# Altium PCB HIVE_BOARD_PCB ASCII REV Project_PCB_Rev.Project_SCH_Rev.PcbDoc (part 7 of 9) (continued)
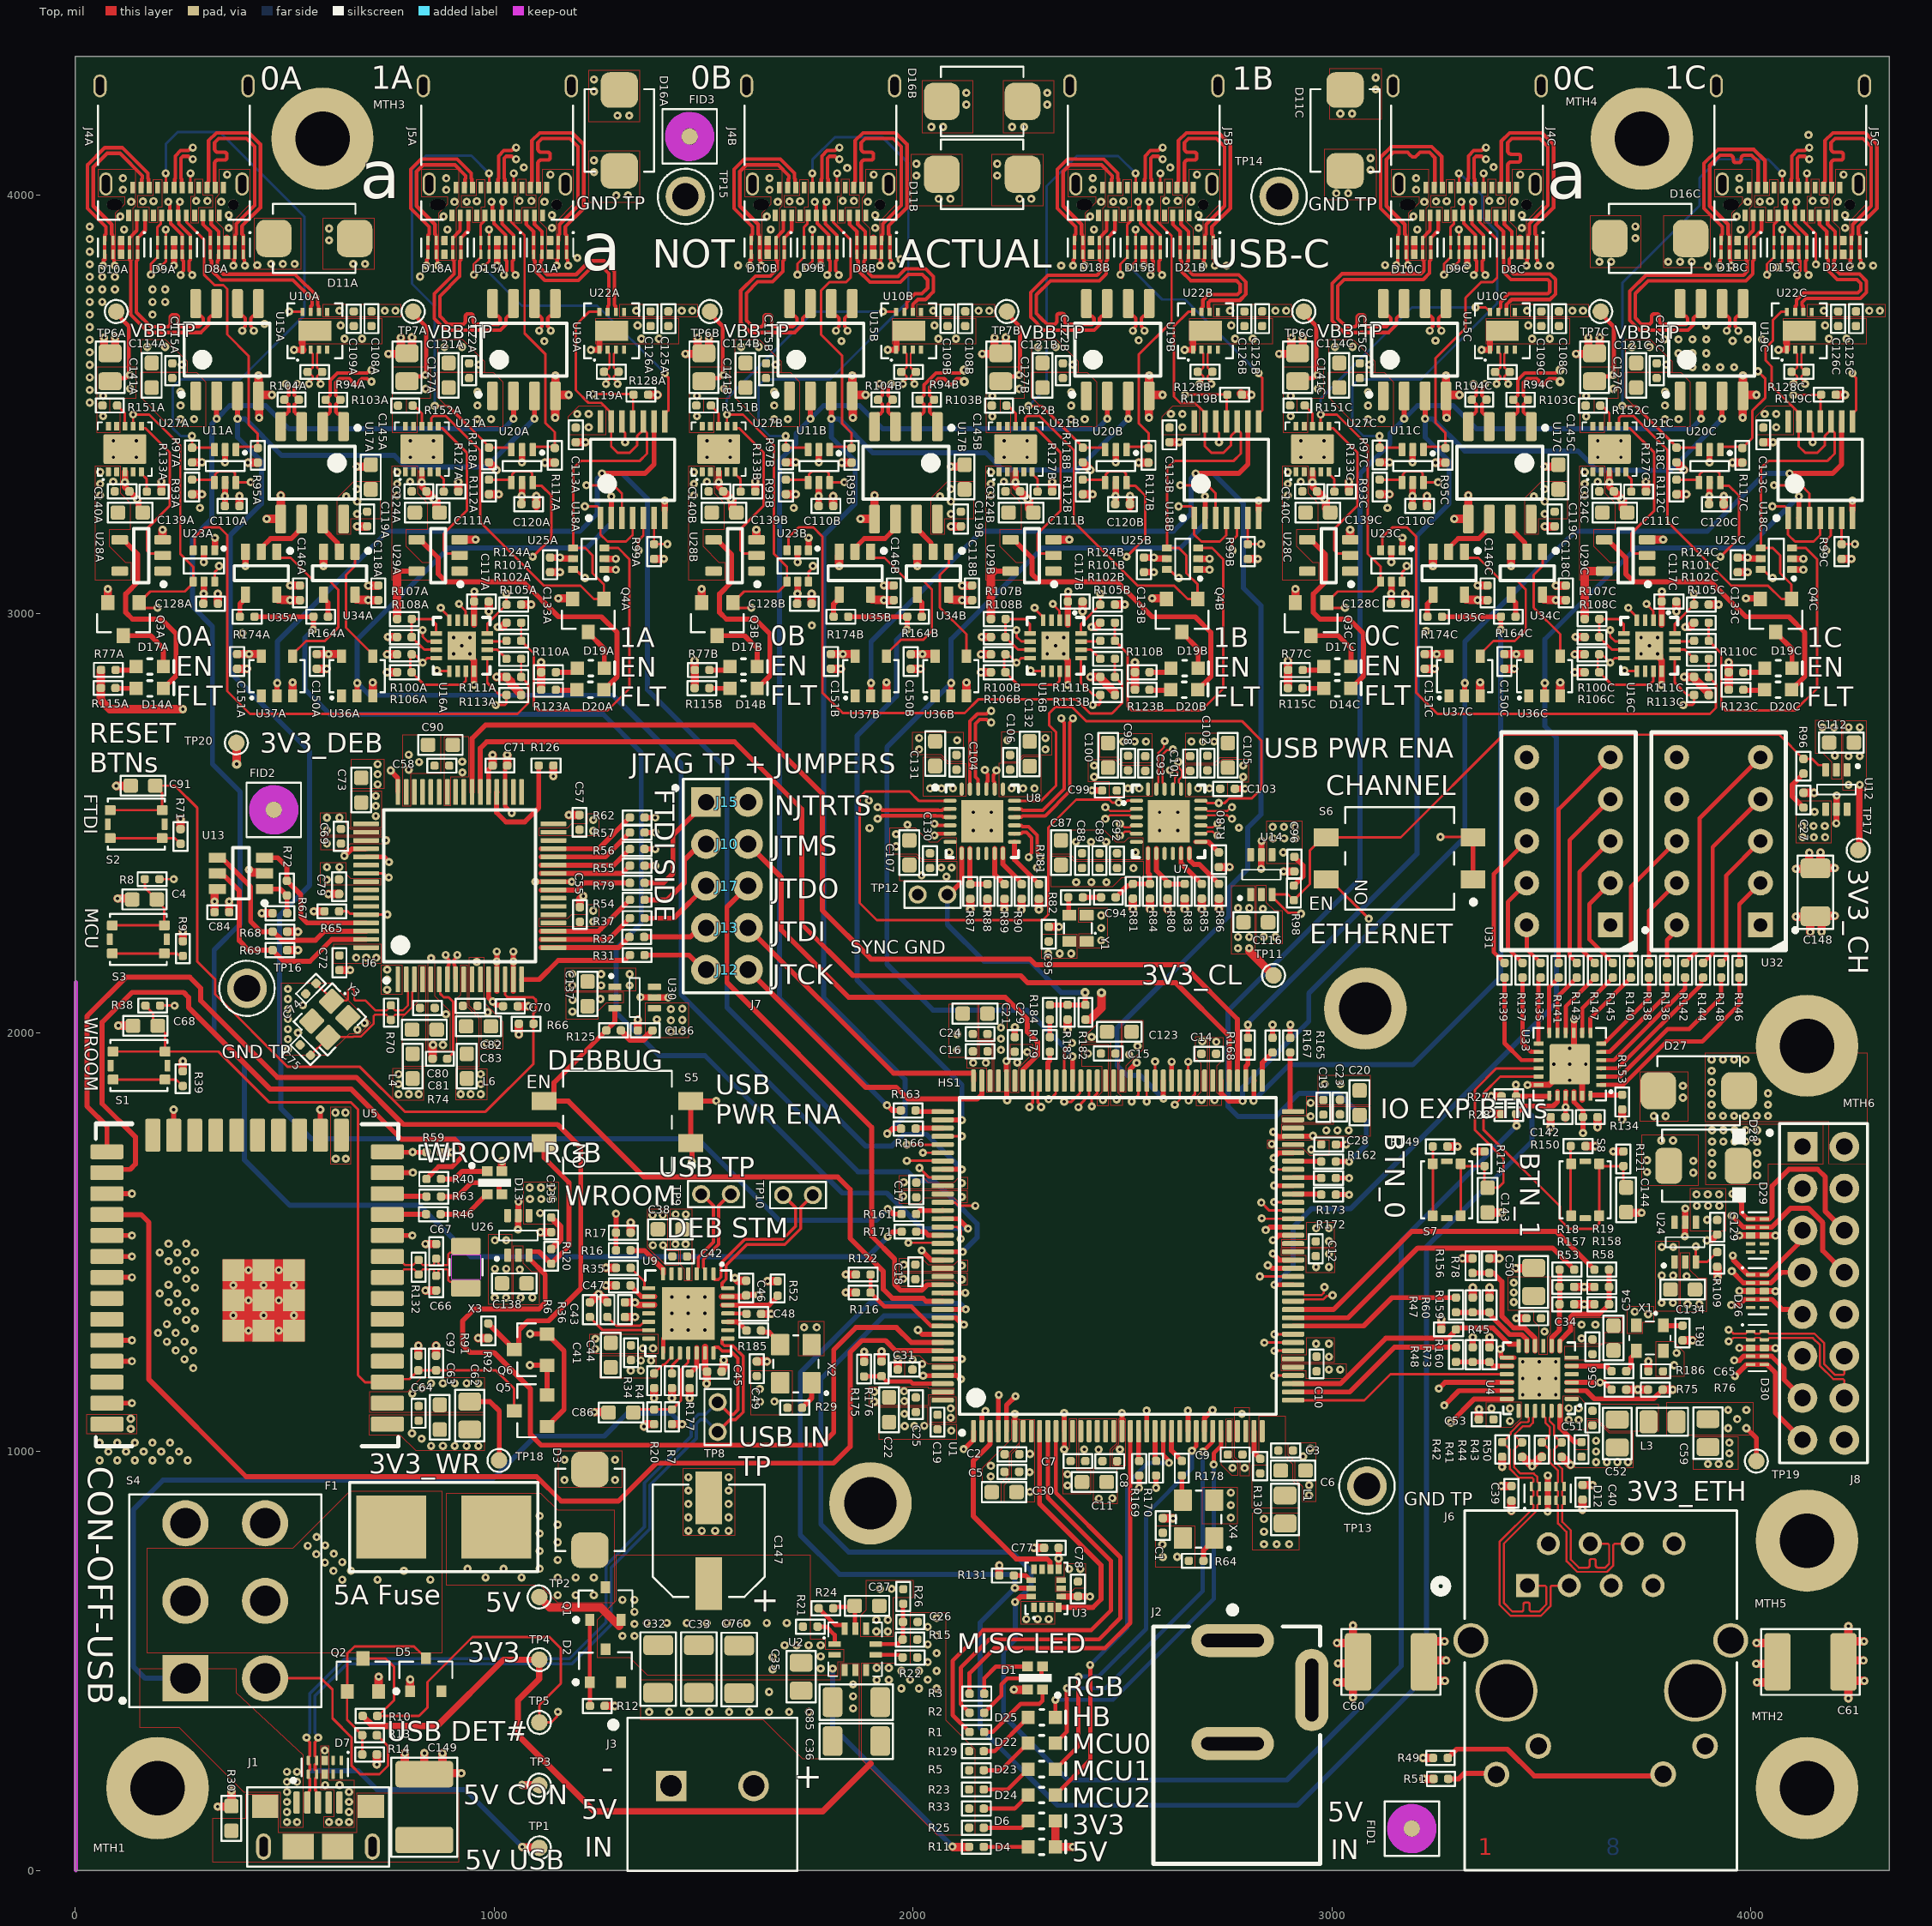
[diagram p0: Top view]
## Nets (pads, with @x,y where several pads share a name; then routed paths per layer and width w, separated by ;. In a path a pad name is that pad's centre, name@x,y a point inside that pad or via, vN(x,y) a via of type N, cw(c..) or ccw(c..) an arc to the next point about the centre after c; other vN are vias at no path point) (continued)
  Signal_2 w6: v1(829.72,2883) v1(829.72,2960.95) 829.72,2993.91 849.8,3014 v1(873,3014)
NetR100B_2: R100B.2 R106B.1 U16B.4 U16B.6 U16B.8 U16B.11 | length 538.6
  Top w6: v1(2247.04,2960.95) 2247.04,2945.28 2258.52,2933.8 2278.79,2933.8 U16B.6@2279.28,2933.31 ; U16B.8@2279.28,2893.94 2257.98,2893.94 v1(2247.04,2883) 2227.17,2902.87 R100B.2@2220.93,2902.87 2217.32,2899.26 2217.32,2863.74 R106B.1@2220.86,2860.21 2251.06,2830 2340.32,2830 2350.14,2839.82 U16B.11@2350.14,2862.45 ; v1(2290.32,3014) 2290.32,3012.24 2310.77,2991.79 U16B.4@2310.77,2984.5
  Signal_2 w6: v1(2247.04,2883) v1(2247.04,2960.95) 2247.04,2993.91 2267.13,3014 v1(2290.32,3014)
NetR100C_2: R100C.2 R106C.1 U16C.4 U16C.6 U16C.8 U16C.11 | length 538.6
  Top w6: v1(3664.36,2960.95) 3664.36,2945.28 3675.84,2933.8 3696.11,2933.8 U16C.6@3696.6,2933.31 ; U16C.8@3696.6,2893.94 3675.3,2893.94 v1(3664.36,2883) 3644.49,2902.87 R100C.2@3638.26,2902.87 3634.65,2899.26 3634.65,2863.74 R106C.1@3638.18,2860.21 3668.39,2830 3757.65,2830 3767.46,2839.82 U16C.11@3767.46,2862.45 ; v1(3707.65,3014) 3707.65,3012.24 3728.09,2991.79 U16C.4@3728.09,2984.5
  Signal_2 w6: v1(3664.36,2883) v1(3664.36,2960.95) 3664.36,2993.91 3684.45,3014 v1(3707.65,3014)
NetR102A_1: R102A.1 U16A.15 | length 46
  Top w6: U16A.15@984.49,2933.8 1028.33,2933.8 R102A.1@1029.85,2935.32
NetR102B_1: R102B.1 U16B.15 | length 46
  Top w6: U16B.15@2401.81,2933.8 2445.66,2933.8 R102B.1@2447.18,2935.32
NetR102C_1: R102C.1 U16C.15 | length 46
  Top w6: U16C.15@3819.13,2933.8 3862.98,2933.8 R102C.1@3864.5,2935.32
NetR105A_1: R105A.1 U16A.14 | length 54.5
  Top w6: U16A.14@984.37,2914 1008.02,2914 R105A.1@1029.85,2892.16
NetR105B_1: R105B.1 U16B.14 | length 54.5
  Top w6: U16B.14@2401.69,2914 2425.34,2914 R105B.1@2447.18,2892.16
NetR105C_1: R105C.1 U16C.14 | length 54.5
  Top w6: U16C.14@3819.02,2914 3842.66,2914 R105C.1@3864.5,2892.16
NetR107A_2: R107A.2 R108A.2 U16A.5 U16A.7 | length 199.6
  Top w6: U16A.7@861.95,2913.63 861.46,2914.12 833.64,2914.12 824.5,2923.25 R108A.2@803.53,2944.22 803.67,2944.35 803.67,2987.04 R107A.2@803.8,2987.17 850.28,2987.17 861.95,2975.5 U16A.5@861.95,2953
NetR107B_2: R107B.2 R108B.2 U16B.5 U16B.7 | length 199.6
  Top w6: U16B.7@2279.28,2913.63 2278.79,2914.12 2250.96,2914.12 2241.83,2923.25 R108B.2@2220.86,2944.22 2220.99,2944.35 2220.99,2987.04 R107B.2@2221.12,2987.17 2267.6,2987.17 2279.28,2975.5 U16B.5@2279.28,2953
NetR107C_2: R107C.2 R108C.2 U16C.5 U16C.7 | length 199.6
  Top w6: U16C.7@3696.6,2913.63 3696.11,2914.12 3668.28,2914.12 3659.15,2923.25 R108C.2@3638.18,2944.22 3638.31,2944.35 3638.31,2987.04 R107C.2@3638.45,2987.17 3684.92,2987.17 3696.6,2975.5 U16C.5@3696.6,2953
NetR116_2: R116.2 R122.1 U1.135 | length 248.1
  Top w10: R122.1@1898.84,1422.63 R116.2@1898.84,1379.64 1932.01,1346.47 1996.53,1346.47 2042.32,1300.68 2070.01,1300.68 U1.135@2070.91,1299.78
NetR126_1: R126.1 U6.36 | length 274
  Top w12: U6.36@1006.75,2574.11 1006.26,2573.62 1006.26,2546.01 1006,2545.74 1006,2525.44 1028.44,2503 1073.25,2503 1106.71,2536.46 R126.1@1106.71,2637.61
NetR127A_1: R127A.1 U21A.5 | length 52.3
  Top w6: U21A.5@867.03,3338.47 867.03,3333.94 879.96,3321.01 R127A.1@879.96,3291.48
NetR127B_1: R127B.1 U21B.5 | length 52.3
  Top w6: U21B.5@2284.35,3338.47 2284.35,3333.94 2297.28,3321.01 R127B.1@2297.28,3291.48
NetR127C_1: R127C.1 U21C.5 | length 52.3
  Top w6: U21C.5@3701.68,3338.47 3701.68,3333.94 3714.6,3321.01 R127C.1@3714.6,3291.48
NetR130_2: R130.2 U1.35 | length 72.1
  Top w12: U1.35@2814.02,1048.79 2814.02,997.75 R130.2@2828.91,982.87
NetR133A_1: R133A.1 U27A.5 | length 52.3
  Top w6: U27A.5@158.37,3338.47 158.37,3333.94 171.3,3321.01 R133A.1@171.3,3291.48
NetR133B_1: R133B.1 U27B.5 | length 47.8
  Top w6: U27B.5@1575.69,3333.94 1588.62,3321.01 R133B.1@1588.62,3291.48
NetR133C_1: R133C.1 U27C.5 | length 52.3
  Top w6: U27C.5@2993.02,3338.47 2993.02,3333.94 3005.94,3321.01 R133C.1@3005.94,3291.48
NetR135_2: R135.2 U31.10 | length 104.5
  Top w10: U31.10@3464.89,2257.08 3464.89,2199.69 R135.2@3498.18,2166.4
NetR136_2: R136.2 U32.10 | length 100.3
  Top w10: R136.2@3799.9,2166.4 3799.9,2220.61 3823,2243.7 U32.10@3823,2257.08
NetR137_2: R137.2 U31.9 | length 223.9
  Top w10: R137.2@3455.08,2166.4 3419.89,2201.58 3419.89,2312.09 U31.9@3464.89,2357.08
NetR138_2: R138.2 U32.9 | length 218.1
  Top w10: R138.2@3756.8,2166.4 3756.8,2290.89 U32.9@3823,2357.08
NetR139_2: R139.2 U31.8 | length 333.5
  Top w10: R139.2@3411.97,2166.4 3386.81,2191.56 3386.81,2379 U31.8@3464.89,2457.08
NetR140_2: R140.2 U32.8 | length 336
  Top w10: R140.2@3713.69,2166.4 3713.69,2347.78 U32.8@3823,2457.08
NetR141_2: R141.2 U31.5 | length 541.9
  Top w10: R141.2@3541.28,2166.4 3541.28,2533.47 U31.5@3664.89,2657.08
NetR142_2: R142.2 U32.5 | length 565.2
  Top w10: R142.2@3843,2166.4 3878,2201.39 3878,2512.09 U32.5@4023,2657.08
NetR143_2: R143.2 U31.4 | length 438.2
  Top w10: R143.2@3584.39,2166.4 3567.3,2183.49 3567.3,2459.49 U31.4@3664.89,2557.08
NetR144_2: R144.2 U32.4 | length 447.4
  Top w10: R144.2@3886.11,2166.4 3909.02,2189.32 3909.02,2443.11 U32.4@4023,2557.08
NetR145_2: R145.2 U31.2 | length 234.9
  Top w10: U31.2@3664.89,2357.08 3614.32,2306.51 3614.32,2222.67 R145.2@3670.59,2166.4
NetR146_2: R146.2 U32.2 | length 211.7
  Top w10: R146.2@3972.31,2166.4 3972.31,2306.4 U32.2@4023,2357.08
NetR147_2: R147.2 U31.3 | length 336.2
  Top w10: R147.2@3627.49,2166.4 3591.2,2202.69 3591.2,2383.39 U31.3@3664.89,2457.08
NetR148_2: R148.2 U32.3 | length 329.5
  Top w10: R148.2@3929.21,2166.4 3941.32,2178.51 3941.32,2375.41 U32.3@4023,2457.08
NetR149_2: R149.2 S7.1 S7.2 | length 165.2
  Top w6: S7.1@3240.57,1563.2 3240.72,1563.2 R149.2@3240.72,1728.24
NetR150_2: R150.2 S8.1 S8.2 | length 166.7
  Top w6: R150.2@3570.05,1729.21 3570.05,1564.06 S8.1@3571.15,1562.96
NetR151A_2: R151A.2 U27A.8 | length 57.1
  Top w6: R151A.2@100.5,3497 119,3478.5 U27A.8@119,3447.53
NetR151B_2: R151B.2 U27B.8 | length 57.1
  Top w6: R151B.2@1517.82,3497 1536.32,3478.5 U27B.8@1536.32,3447.53
NetR151C_2: R151C.2 U27C.8 | length 57.1
  Top w6: R151C.2@2935.15,3497 2953.65,3478.5 U27C.8@2953.65,3447.53
NetR152A_2: R152A.2 U21A.8 | length 57.1
  Top w6: R152A.2@809.16,3497 827.66,3478.5 U21A.8@827.66,3447.53
NetR152B_2: R152B.2 U21B.8 | length 57.1
  Top w6: R152B.2@2226.48,3497 2244.98,3478.5 U21B.8@2244.98,3447.53
NetR152C_2: R152C.2 U21C.8 | length 57.1
  Top w6: R152C.2@3643.81,3497 3662.31,3478.5 U21C.8@3662.31,3447.53
NetR153_1: R153.1 U33.24 | length 75.3
  Top w12: U33.24@3618.03,1850.77 R153.1@3691.95,1850.77
  Top w15: R153.1@3691.95,1850.77 R153.1@3692.89,1851.72
NetR161_2: R161.2 U1.121 | length 66.8
  Top w12: R161.2@2007.59,1566.89 2015.97,1575.27 2070.82,1575.27 U1.121@2070.91,1575.37
NetR162_2: R162.2 U1.66 | length 67.1
  Top w12: U1.66@2907.53,1693.48 2908.14,1692.86 2973.52,1692.86 R162.2@2974.14,1692.24
NetR163_1: R163.1 U1.109 | length 65.9
  Top w12: R163.1@2006.14,1814.41 2008.87,1811.68 2070.82,1811.68 U1.109@2070.91,1811.59
NetR164A_1: R164A.1 U34A.4 | length 57.1
  Top w12: U34A.4@593.42,3045.57 593.42,3036.71 603.82,3026.31 R164A.1@603.82,2992.75
NetR164B_1: R164B.1 U34B.4 | length 57.1
  Top w12: U34B.4@2010.75,3045.57 2010.75,3036.71 2021.15,3026.31 R164B.1@2021.15,2992.75
NetR164C_1: R164C.1 U34C.4 | length 57.1
  Top w12: U34C.4@3428.07,3045.57 3428.07,3036.71 3438.47,3026.31 R164C.1@3438.47,2992.75
NetR165_1: R165.1 U4.17 | length 1641.8
  Top w12: R165.1@2900.48,1987.65 2900.6,1987.76 2900.6,2018.81 v1(2900.72,2018.93) ; v1(3268.22,1110.26) 3303.27,1145.31 U4.17@3417.35,1145.31 U4.17@3430.04,1145.31
  Signal_1 w6: v1(2900.72,2018.93) 2900.72,1890.34 2720.09,1709.71 2720.09,1276.75 2886.58,1110.26 v1(3268.22,1110.26)
NetR165_2: R165.2 U1.72 | length 148
  Top w12: R165.2@2900.48,1952.65 2900.48,1811.68 2900.58,1811.59 U1.72@2907.53,1811.59
NetR166_1: R166.1 U1.111 | length 63.2
  Top w12: R166.1@2007.72,1772.22 U1.111@2070.91,1772.22
NetR167_1: R167.1 U4.18 | length 1746
  Top w12: R167.1@2858.22,1987.65 v1@2858.22,2018.69 ; v1(3283.49,1069.22) 3339.9,1125.62 U4.18@3417.35,1125.62 U4.18@3430.04,1125.62
  Signal_1 w6: v1(2858.34,2018.81) 2858.34,1942.45 2661.97,1746.07 2661.97,1252.68 2845.43,1069.22 v1(3283.49,1069.22)
NetR167_2: R167.2 U1.73 | length 77.4
  Top w12: U1.73@2833.71,1885.4 2833.71,1928.13 R167.2@2858.22,1952.65
NetR168_2: R168.2 U1.75 | length 69.4
  Top w12: U1.75@2794.34,1885.4 2794.43,1885.5 2794.43,1919.55 2799.53,1924.65 R168.2@2799.53,1952.65
NetR169_1: R169.1 U5.30 | length 2988.2
  Top w12: U5.30@76.06,1465.7 v1(135.74,1465.7) ; v1(2539.77,913.2) 2539.88,913.31 2539.88,942.38 R169.1@2540,942.5
  Signal_1 w6: v1(135.74,1465.7) 105.76,1435.72 105.76,1347.58 383.93,1069.41 477.9,1069.41 665.49,881.83 1257.3,881.83 1412.63,726.5 2090.47,726.5 2241.68,877.72 2391.15,877.72 2426.62,913.2 v1(2539.77,913.2)
NetR169_2: R169.2 U1.21 | length 71.9
  Top w12: U1.21@2538.43,1048.79 2538.53,1048.7 2538.53,978.97 R169.2@2540,977.5
NetR170_1: R170.1 U5.37 | length 2854.5
  Top w12: U5.37@76.06,1115.7 v1(135.74,1115.7) ; v1@2580.32,913.74 R170.1@2580.32,942.82
  Signal_1 w6: v1(135.74,1115.7) 245.2,1115.7 354.97,1005.93 482.39,1005.93 640.41,847.9 746.78,847.9 967.81,626.88 968.61,626.88 1243.8,626.88 1309.51,692.59 2132.84,692.59 2286.73,846.48 2513.05,846.48 v1(2580.2,913.63)
NetR170_2: R170.2 U1.23 | length 72
  Top w12: U1.23@2577.8,1048.79 2577.8,980.33 R170.2@2580.32,977.82
NetR171_1: R171.1 U1.124 | length 66.5
  Top w12: R171.1@2008,1525 2028.14,1525 2036.74,1516.4 2070.82,1516.4 U1.124@2070.91,1516.31
NetR172_1: R172.1 U1.62 | length 67.5
  Top w12: U1.62@2907.53,1614.74 2907.62,1614.64 2973.23,1614.64 R172.1@2974.5,1613.38
NetR173_1: R173.1 U1.64 | length 67.4
  Top w12: U1.64@2907.53,1654.11 2907.62,1654.01 2973.49,1654.01 R173.1@2974.5,1653
NetR174A_1: R174A.1 U35A.4 | length 58.4
  Top w12: R174A.1@393.32,2992.75 393.32,3023.2 406.84,3036.71 U35A.4@406.84,3045.57
NetR174B_1: R174B.1 U35B.4 | length 58.4
  Top w12: R174B.1@1810.65,2992.75 1810.65,3023.2 1824.16,3036.71 U35B.4@1824.16,3045.57
NetR174C_1: R174C.1 U35C.4 | length 58.4
  Top w12: R174C.1@3227.97,2992.75 3227.97,3023.2 3241.48,3036.71 U35C.4@3241.48,3045.57
NetR175_1: R175.1 R176.1 U1.142 | length 198.6
  Top w10: R175.1@1883.38,1179.34 1883.83,1179.8 R176.1@1925.15,1179.8 ; R176.1@1924.93,1180.01 R176.1@1925.15,1179.8 ; R176.1@1928.31,1179.8 R176.1@1925.15,1179.8 ; U1.142@2070.91,1161.98 2070.57,1162.32 1999.68,1162.32 1995,1167 1937.95,1167 R176.1@1925.15,1179.8
NetR177_2: R177.2 U9.19 | length 68.8
  Top w12: R177.2@1467.17,1186.31 1483.72,1202.86 U9.19@1483.72,1235.33 U9.19@1483.72,1248.28
NetR178_1: R178.1 X4.3 | length 59.6
  Top w12: R178.1@2641.78,942.82 2641.78,886.7 X4.3@2644.23,884.25
NetR178_2: R178.2 U1.25 | length 81.2
  Top w12: U1.25@2617.17,1048.79 2617.17,1002.42 R178.2@2641.78,977.82
NetR179_1: R179.1 R184.2 | length 42
  Top w12: R179.1@2326.79,1989.25 R184.2@2326.79,2031.23
NetR179_2: R179.2 U1.99 | length 70.9
  Top w12: U1.99@2321.9,1885.4 2321.9,1928.76 2326.79,1933.66 R179.2@2326.79,1954.25
NetR180_1: R180.1 U7.13 | length 65.3
  Top w12: U7.13@2675.29,2455.24 U7.13@2687.16,2455.24 2705.07,2455.24 R180.1@2730.19,2430.12
NetR181_1: R181.1 U8.13 | length 125
  Top w12: U8.13@2242.28,2455.24 2242.28,2412.81 R181.1@2300.69,2354.4
NetR182_1: R182.1 R183.2 R184.1 TP12.1 U8.7 | length 708.8
  Top w12: TP12.1@2081.98,2329.55 2085.54,2329.55 2116.3,2360.31 U8.7@2116.3,2439.55 ; R184.1@2326.79,2066.23 R182.1@2411.73,2066.23 2411.29,2066.67 2411.29,2095.5 v3(2410.85,2095.94)
  Bottom w12: TP12.1@2081.98,2329.55 2081.98,2258.07 2169.94,2170.11 2279.13,2170.11 2353.31,2095.94 v3(2410.85,2095.94)
NetR185_1: R185.1 X2.3 | length 61.9
  Top w12: R185.1@1637.61,1289 1641.61,1285 1657,1285 1683.1,1258.9 X2.3@1683.1,1254.96
NetR185_2: R185.2 U9.24 | length 53
  Top w12: U9.24@1558.22,1309.83 1581.78,1309.83 R185.2@1602.61,1289
NetR186_1: R186.1 U4.5 | length 112.7
  Top w12: U4.5@3560.02,1204.36 U4.5@3572.35,1204.36 3655.21,1204.36 R186.1@3667.58,1192
NetR186_2: R186.2 X1.3 | length 58.7
  Top w12: R186.2@3702.58,1192 3706.58,1196 3707.04,1196 3714.07,1203.03 3714.07,1224.1 3726.52,1236.55 X1.3@3726.52,1240.49
NetU1_1: U1.1 U5.10 | length 1929.6
  Top w12: U5.10@745.35,1515.7 v1(805.03,1515.7) ; v1(2121.08,1005.81) 2122.23,1005.81 2144.73,1028.31 U1.1@2144.73,1048.79
  Signal_1 w6: v1(805.03,1515.7) 805.03,1456.77 920.8,1341 1233.89,1341 1278.28,1296.61 1364.39,1296.61 1417.28,1243.72 1632.83,1243.72 1740.67,1351.56 2016.24,1351.56 2150.37,1217.44 2150.37,1035.1 v1(2121.08,1005.81)
NetU1_22: U1.22 U5.31 | length 2978.7
  Top w12: U5.31@76.06,1415.7 v1(135.74,1415.7) ; U1.22@2558.02,1048.89 v1@2558.02,1097.69
  Signal_1 w6: v1(135.74,1415.7) 426.04,1125.4 488.73,1125.4 702.96,911.17 1315.18,911.17 1464.68,761.67 2047.15,761.67 2253.81,968.33 2493,968.33 2557.75,1033.08 v1(2557.75,1097.96)
NetU1_29: U1.29 U4.13 | length 970.9
  Top w12: U1.29@2695.82,1048.89 U1.29@2695.91,1048.79 2696.01,1048.89 2696.01,1080.4 2714.61,1099 v1(2715,1099) ; v1(3402,1245) 3403.45,1243.55 3403.45,1228.29 3407.7,1224.05 3434.33,1224.05
  Signal_1 w6: v1(2715,1099) 2784.41,1029.59 3284.79,1029.59 3319.5,1064.3 3319.5,1162.5 v1(3402,1245)
NetU1_67: U1.67 U4.16 | length 1210.8
  Top w12: v1(2861,1701) 2873.07,1713.07 2907.43,1713.07 U1.67@2907.53,1713.16 ; v1(3255.15,1150.56) 3269.58,1164.99 U4.16@3417.35,1164.99 U4.16@3430.04,1164.99
  Signal_1 w6: v1(2861,1701) 2775.39,1615.39 2775.39,1299.66 2924.48,1150.56 v1(3255.15,1150.56)
NetU1_76: U1.76 U6.39 | length 2568.8
  Top w12: U6.39@947.7,2574.11 947.7,2702.13 979.89,2734.33 1619.26,2734.33 1783.66,2569.93 1783.66,2291.8 1899.67,2175.79 2279.32,2175.79 2293.33,2161.78 2645,2161.78 2774.65,2032.13 U1.76@2774.65,1885.4
NetU1_77: U1.77 U6.38 | length 2457.5
  Top w12: U6.38@967.38,2574.11 967.38,2679.12 982.76,2694.5 1573.91,2694.5 1734.73,2533.68 1734.73,2258.3 1857.07,2135.96 2257,2135.96 2274.19,2118.77 2627.59,2118.77 2754.97,1991.4 U1.77@2754.97,1885.4
NetU1_136: U1.136 U5.29 | length 2406.6
  Top w12: U5.29@76.06,1515.7 v1(135.74,1515.7) ; v1(2011.92,1290.13) 2021.96,1280.09 U1.136@2070.91,1280.09
  Signal_1 w6: v1(135.74,1515.7) 446.27,1515.7 578.23,1383.75 578.23,1162.15 672.77,1067.6 1328.58,1067.6 1343.39,1082.41 1688.31,1082.41 1896.03,1290.13 v1(2011.92,1290.13)
NetU1_138: U1.138 U5.28 | length 2798.5
  Top w12: U5.28@76.06,1565.7 157.51,1565.7 176.3,1546.9 176.3,1172.25 408.33,940.22 1101.7,940.22 1160.31,881.62 1296.96,881.62 1387.61,972.26 1810.38,972.26 1849.93,1011.82 1849.93,1236.93 1878.11,1265.11 1934.52,1265.11 1958.9,1240.72 U1.138@2070.91,1240.72
NetU1_139: U1.139 U5.27 | length 2518
  Top w12: U5.27@76.06,1615.7 v1(135.74,1615.7) ; U1.139@2071.1,1221.22 v1@2117,1221.22
  Signal_1 w6: v1(135.74,1615.7) 203.1,1548.34 462.49,1548.34 627.13,1383.7 627.13,1204.65 712.78,1119 1312.36,1119 1387.69,1194.33 1729.75,1194.33 1850.91,1315.49 2022.51,1315.49 v1(2117,1221)
NetU5_34: U5.34 U6.48 | length 2461.3
  Top w12: U5.34@76.06,1265.7 v1(135.74,1265.7) ; v1@753.46,2624.66 770.04,2608.07 U6.48@770.04,2574.6
  Signal_1 w6: v1(135.74,1265.7) 166.72,1234.72 166.72,1181.75 143.86,1158.89 115.62,1158.89 28.39,1246.12 28.39,2486.63 161.96,2620.2 659.87,2620.2 700.48,2660.81 738.19,2660.81 753.46,2645.54 v1(753.46,2625.66)
NetU5_35: U5.35 U6.52 | length 2205.1
  Top w12: U5.35@76.06,1215.7 v1(135.74,1215.7) ; v1(643,2422) 644,2422 660.59,2438.59 U6.52@694.06,2438.59
  Signal_1 w6: v1(135.74,1215.7) 60.38,1291.06 60.38,2466.91 179.72,2586.24 615.31,2586.24 673.17,2528.38 673.17,2452.17 v1(643,2422)
PHY_LED_1: J6.10 R75.2 U4.3 | length 2867.5
  Top w12: U4.3@3560.02,1164.99 U4.3@3572.35,1164.99 3650.51,1164.99 R75.2@3667.5,1148
  Signal_2 w12: J6.10@3492.7,297 3794.23,297 3888.78,202.44 3888.78,129.98 3987.22,31.54 4240.26,31.54 4310.85,102.13 4310.85,900.43 4238.75,972.54 4028.5,972.54 3976.32,920.35 3890.14,920.35 3859.91,950.58 3859.91,1156.62 3838.84,1177.69 3652.69,1177.69 v1(3640,1165)
PHY_LED_2: J6.12 R76.2 U4.2 | length 2358.9
  Top w12: U4.2@3560.02,1145.31 U4.2@3572.35,1145.31 3607.09,1145.31 3626.4,1126 3767.74,1126 R76.2@3789.51,1147.78
  Top w20: R76.2@3789.51,1147.78 v1@3813.71,1147.78
  Signal_2 w12: v1@3813.55,1149.92 3813.55,964.67 3880.69,897.53 3985.77,897.53 4018.51,930.27 4215.67,930.27 4280.72,865.22 4280.72,676.78 4202.71,598.77 4202.71,341.53 4275.75,268.49 4275.75,120.06 4218.39,62.7 4032.97,62.7 3961.71,133.96 3961.71,226.02 J6.12@3890.73,297
  other v1: 3813.71,1147.58
PHY_nRST: U1.37 U4.15 | length 535.5
  Top w6: U1.37@2907.53,1122.61 3077.62,1122.61 3139.69,1184.68 U4.15@3417.35,1184.68
PHY_REFCLK: R48.1 R73.1 R160.2 U4.14 | length 138
  Top w12: R48.1@3296.12,1214.07 3296.28,1213.91 3375.9,1213.91 R160.2@3376.06,1213.74 3385.44,1204.36 U4.14@3417.35,1204.36 U4.14@3430.05,1204.36
PHYAD0: R78.2 R156.1 U4.10 | length 292.8
  Top w12: R156.1@3335.63,1426.09 3335.74,1426.2 R78.2@3375.38,1426.2 ; R78.2@3375.49,1426.31 R78.2@3375.38,1426.2 ; U4.10@3485.01,1240 U4.10@3485.01,1252.33 3485.01,1270.2 3459.74,1295.48 3433.52,1295.48 3405.69,1323.31 3405.69,1405.97 3385.46,1426.2 R78.2@3375.38,1426.2
SHIELD_USB: C149.2 J1.6 J1.7 J1.8 J1.9 J1.10 J1.11 R30.2
SPI_CLK_A: R171.2 U15A.2 U19A.2 | length 4450.5
  Top w12: U15A.2@337.82,3519.78 337.91,3519.7 337.91,3465.21 v1(337.99,3465.13) ; U19A.2@1046.49,3519.78 U19A.2@1046.49,3519.78 1046.57,3465.21 v1(1046.65,3465.13) ; v1(1939.94,1512.77) v1@1940.26,1512.77 ; v1@1942.19,1512.77 v1@1940.26,1512.77 ; R171.2@1973,1525 1972.91,1524.91 1952.4,1524.91 v1@1940.26,1512.77
  Bottom w12: v1(1046.65,3465.13) 1022.83,3441.3 510.3,3441.3 454.86,3496.74 369.61,3496.74 v1(337.99,3465.13) 337.99,3464.33 326.12,3452.45 326.12,3225.78 280.26,3179.92 280.26,3016.96 327.97,2969.24 327.97,2641.01 394.1,2574.89 394.1,2259.26 332.15,2197.31 332.15,1997.69 404.44,1925.39 404.44,1695.95 512.67,1587.72 822.56,1587.72 944.8,1465.48 1892.65,1465.48 v1(1939.94,1512.77)
SPI_CLK_B: R163.2 U15B.2 U19B.2 | length 2679.4
  Top w12: U15B.2@1755.15,3519.78 1755.23,3519.7 1755.23,3465.21 v1(1755.31,3465.13) ; v1(1938.08,1826.64) v1@1938.4,1826.64 ; v1@1940.33,1826.64 v1@1938.4,1826.64 ; R163.2@1971.14,1814.41 1971.05,1814.5 1950.54,1814.5 v1@1938.4,1826.64 ; U19B.2@2463.81,3519.78 2463.89,3519.7 2463.89,3465.21 v1(2463.98,3465.13)
  Bottom w12: v1(1938.08,1826.64) 1681.54,2083.18 1681.54,3366.05 1720.97,3405.49 1720.97,3429.99 1755.31,3464.33 v1(1755.31,3465.13) 1786.93,3496.74 1872.18,3496.74 1927.62,3441.3 2440.15,3441.3 v1(2463.98,3465.13)
SPI_CLK_C: R162.1 U15C.2 U19C.2 | length 3215.8
  Top w12: R162.1@3009.42,1692.24 3040.72,1692.24 v1(3041.05,1691.9) ; U15C.2@3172.47,3519.78 U15C.2@3172.47,3519.78 3172.55,3465.21 v1(3172.64,3465.13) ; U19C.2@3881.13,3519.78 3881.21,3519.7 3881.21,3465.21 v1(3881.3,3465.13)
  Bottom w12: v1(3041.05,1691.9) 3081.88,1732.74 3081.88,1789.54 3016.43,1855 2921.48,1855 2866.21,1799.73 2776.15,1799.73 2751.94,1823.93 2751.94,2052.28 3067.15,2367.48 3067.15,3334.34 3138.29,3405.49 3138.29,3429.99 3172.64,3464.33 v1(3172.64,3465.13) 3204.25,3496.74 3289.5,3496.74 3344.94,3441.3 3857.47,3441.3 v1(3881.3,3465.13)
SPI_CS_0A: U34A.1 U36A.4 | length 284.7
  Top w6: U34A.1@668.23,3147.93 668.23,3113.86 647,3092.64 647,2966.57 710.4,2903.17 U36A.4@710.4,2898.24
SPI_CS_0B: U34B.1 U36B.4 | length 284.7
  Top w6: U34B.1@2085.55,3147.93 2085.55,3113.86 2064.32,3092.64 2064.32,3014.33 2127.72,2950.93 2127.72,2903.17 U36B.4@2127.72,2898.24
SPI_CS_0C: U34C.1 U36C.4 | length 284.7
  Top w6: U34C.1@3502.87,3147.93 3502.87,3113.86 3481.65,3092.64 3481.65,3014.33 3545.05,2950.93 3545.05,2903.17 U36C.4@3545.05,2898.24
SPI_CS_1A: U35A.1 U37A.4 | length 418.4
  Top w6: U35A.1@481.64,3147.93 481.64,3141.24 489.47,3133.41 514.7,3133.41 569.08,3079.03 606.82,3079.03 628,3057.86 628,2967 596.06,2935.06 551.29,2935.06 519.4,2903.17 U37A.4@519.4,2898.24
SPI_CS_1B: U35B.1 U37B.4 | length 423.4
  Top w6: U35B.1@1898.96,3147.93 1898.96,3141.24 1906.79,3133.41 1932.02,3133.41 1986.4,3079.03 2024.15,3079.03 2045.32,3057.86 2045.32,2958.48 2024.88,2938.04 1971.6,2938.04 1944.55,2910.99 1936.72,2903.17 U37B.4@1936.72,2898.24
SPI_CS_1C: U35C.1 U37C.4 | length 422
  Top w6: U35C.1@3316.28,3147.93 3316.28,3141.24 3324.11,3133.41 3349.34,3133.41 3403.72,3079.03 3441.47,3079.03 3462.65,3057.86 3462.65,2960.87 3436.33,2934.56 3385.44,2934.56 3361.87,2910.99 3354.05,2903.17 U37C.4@3354.05,2898.24
SPI_MISO_0A: U17A.7 U34A.2 | length 94.6
  Top w12: U17A.7@590.94,3226.05 590.94,3204.4 626,3169.34 626,3152.76 U34A.2@630.82,3147.93
SPI_MISO_0B: U17B.7 U34B.2 | length 94.6
  Top w12: U17B.7@2008.26,3226.05 2008.26,3204.4 2043.32,3169.34 2043.32,3152.76 U34B.2@2048.15,3147.93
SPI_MISO_0C: U17C.7 U34C.2 | length 94.6
  Top w12: U17C.7@3425.58,3226.05 3425.58,3204.4 3460.64,3169.34 3460.64,3152.76 U34C.2@3465.47,3147.93
SPI_MISO_1A: U17A.6 U35A.2 | length 146.9
  Top w12: U35A.2@444.24,3147.93 444.24,3156.79 466.87,3179.43 515.97,3179.43 540.94,3204.4 U17A.6@540.94,3226.05
SPI_MISO_1B: U17B.6 U35B.2 | length 146.9
  Top w12: U35B.2@1861.56,3147.93 1861.56,3156.79 1884.2,3179.43 1933.29,3179.43 1958.26,3204.4 U17B.6@1958.26,3226.05
SPI_MISO_1C: U17C.6 U35C.2 | length 146.9
  Top w12: U35C.2@3278.88,3147.93 3278.88,3156.79 3301.52,3179.43 3350.62,3179.43 3375.58,3204.4 U17C.6@3375.58,3226.05
SPI_MISO_A: R164A.2 R174A.2 U1.122 | length 2957.7
  Top w12: R174A.2@428.32,2992.75 R164A.2@568.82,2992.75 568.82,2961.94 v1(568.13,2961.94) ; U1.122@2070.91,1555.68 2108.11,1555.68 v1(2131.59,1532.19)
  Bottom w12: v1(568.13,2961.94) 548.6,2942.41 548.6,2819.53 608.42,2759.7 1260.62,2759.7 1351.48,2668.85 1351.48,2261.2 1291.39,2201.11 1291.39,2048.11 1394.19,1945.31 1503.36,1945.31 1831.4,1617.27 1937.53,1617.27 2022.61,1532.19 v1(2131.59,1532.19)
SPI_MISO_B: R164B.2 R174B.2 U1.110 | length 1541.1
  Top w12: R174B.2@1845.65,2992.75 R164B.2@1986.15,2992.75 1986.15,2961.94 v1(1985.45,2961.94) ; U1.110@2070.91,1791.9 2071.01,1791.81 2116.53,1791.81 v1(2116.85,1791.48)
  Bottom w12: v1(1985.45,2961.94) 1961.02,2937.5 1961.02,2803.01 1867,2709 1867,2124.96 2116.85,1875.11 v1(2116.85,1791.48)
SPI_MISO_C: R164C.2 R174C.2 U1.74 | length 1761
  Top w12: v1(2813.09,1837.66) 2813.93,1838.5 2813.93,1885.31 U1.74@2814.02,1885.4 ; R174C.2@3262.97,2992.75 R164C.2@3403.47,2992.75 3403.47,2961.94 v1(3402.77,2961.94)
  Bottom w12: v1(2813.09,1837.66) 2899.08,1923.66 3193.3,1923.66 3402.77,2133.13 v1(3402.77,2961.94)
SPI_MOSI_A: R161.1 U15A.3 U19A.3 | length 4333.4
  Top w12: U15A.3@387.74,3519.86 U15A.3@387.82,3519.78 387.82,3465.29 v1(387.91,3465.21) ; U19A.3@1096.4,3519.86 U19A.3@1096.49,3519.78 1096.49,3465.29 v1(1096.57,3465.21) ; v1(1939.53,1579.12) v1@1939.85,1579.12 ; v1@1941.78,1579.12 v1@1939.85,1579.12 ; R161.1@1972.59,1566.89 1972.5,1566.97 1951.99,1566.97 v1@1939.85,1579.12
  Bottom w12: v1(1096.57,3465.21) 981.36,3350 790,3350 762.11,3377.89 492.97,3377.89 405.65,3465.21 v1(387.91,3465.21) 387.91,3420.94 444.88,3363.97 444.88,3262.1 370.93,3188.15 370.93,2859.88 560.03,2670.77 560.03,2352.2 490.92,2283.09 488.1,2280.27 488.1,1952.08 490.92,1949.25 490.92,1819.83 564.49,1746.26 1486.92,1746.26 1681.32,1551.86 1912.28,1551.86 v1(1939.53,1579.12)
SPI_MOSI_B: R166.2 U15B.3 U19B.3 | length 2818.6
  Top w12: U15B.3@1805.06,3519.86 U15B.3@1805.15,3519.78 1805.15,3465.29 v1(1805.23,3465.21) ; v1(1938.53,1758.86) v1@1938.85,1758.86 ; v1@1940.78,1758.86 v1@1938.85,1758.86 ; R166.2@1971.59,1771.09 R166.2@1971.5,1771 1950.99,1771 v1@1938.85,1758.86 ; U19B.3@2513.72,3519.86 U19B.3@2513.81,3519.78 2513.81,3465.29 v1(2513.89,3465.21)
  Bottom w12: v1(1938.53,1758.86) 1981.06,1801.39 1981.06,1888.78 1787.09,2082.74 1787.09,3187 1862.2,3262.1 1862.2,3363.97 1805.23,3420.94 v1(1805.23,3465.21) 1822.98,3465.21 1904.09,3384.1 2173.9,3384.1 2215.16,3342.84 2391.52,3342.84 2432.78,3384.1 v1(2513.89,3465.21)
SPI_MOSI_C: R168.1 U15C.3 U19C.3 | length 2619.9
  Top w12: R168.1@2799.53,1987.65 v1@2799.53,2018.69 ; U15C.3@3222.39,3519.86 U15C.3@3222.47,3519.78 3222.47,3465.29 v1(3222.55,3465.21) ; U19C.3@3931.05,3519.86 U19C.3@3931.13,3519.78 3931.13,3465.29 v1(3931.21,3465.21)
  Bottom w12: v1(2799.65,2018.81) 2799.65,2020.89 2803.49,2024.73 2803.49,2027.3 3203,2426.81 3203,3185.58 3279.52,3262.1 3279.52,3363.97 3222.55,3420.94 v1(3222.55,3465.21) 3240.3,3465.21 3317.1,3388.41 3586.97,3388.41 3633.26,3342.12 3808.12,3342.12 v1(3931.21,3465.21)
SPI_nCS_0A: U1.126 U18A.2 U36A.2 | length 3439
  Top w12: U36A.2@673,2803.76 v1@673,2834.57 ; U18A.2@1279.72,3228.34 1280,3228.62 v1(1280,3280) ; U1.126@2070.91,1476.94 2071.01,1476.85 2118.81,1476.85 v1(2118.96,1476.7)
  Bottom w12: v1(1280,3280) 1280,3215.82 1221.18,3157 891.71,3157 673.7,2938.99 v1(673.7,2834.57) 702.94,2805.33 1284.05,2805.33 1446.53,2642.85 1446.53,2090.54 1725.4,1811.67 1869.07,1668 1988,1668 2009.75,1646.25 2050.54,1646.25 2097.16,1599.63 2153,1543.79 2153,1510.74 v1(2118.96,1476.7)
SPI_nCS_0B: U1.96 U18B.2 U36B.2 | length 2299.9
  Top w12: U36B.2@2090.32,2803.76 v1@2090.32,2834.57 ; U1.96@2380.95,1885.4 2381,1885.45 v1(2381,1943) ; U18B.2@2697.04,3228.34 2697.32,3228.62 v1(2697.32,3280)
  Bottom w12: v1(2381,1943) 2381,1945 2272.47,2053.53 2048.06,2053.53 1937.77,2163.82 1937.77,2681.32 v1(2091.02,2834.57) 2091.02,2938.99 2234.74,3082.71 2309.03,3157 2638.5,3157 2697.32,3215.82 v1(2697.32,3280)
SPI_nCS_0C: U1.51 U18C.2 U36C.2 | length 2760.8
  Top w12: v1@2862.71,1398.2 U1.51@2907.53,1398.2 U1.51@2907.61,1398.12 ; U36C.2@3507.65,2803.76 v1@3507.65,2834.57 ; U18C.2@4114.36,3228.34 4114.65,3228.62 v1(4114.65,3280)
  Bottom w12: v1(2862.59,1398.07) 2907.18,1442.67 2907.18,1535.76 2950.85,1579.43 3044.27,1579.43 3535.58,2070.74 3535.58,2175.08 3535.58,2704.35 3508.34,2731.59 v1(3508.34,2834.57) 3508.34,2938.99 3726.35,3157 3991.65,3157 v1(4114.65,3280)
SPI_nCS_1A: U1.116 U18A.9 U37A.2 | length 3573.3
  Top w12: U37A.2@482,2803.76 v1@482,2834.57 ; v1(1257.65,3334.63) 1360.19,3334.63 1382.08,3356.52 U18A.9@1382.08,3458.65 U18A.9@1383,3457.73 ; U1.116@2070.91,1673.79 2071.01,1673.7 2116.4,1673.7 v1(2116.67,1673.42)
  Bottom w12: v1(482.7,2834.57) 482.7,2933.14 746.55,3197 1204.74,3197 1246.33,3238.59 1246.33,3322.78 1257.65,3334.09 v1(1257.65,3334.63) 1305.84,3334.63 1366.22,3274.25 1366.22,2818.66 1556.17,2628.72 1556.17,2060.21 1886.83,1729.54 1950.21,1729.54 1978.14,1757.48 2032.62,1757.48 v1(2116.67,1673.42)
SPI_nCS_1B: U1.85 U18B.9 U37B.2 | length 3187.1
  Top w12: U37B.2@1899.32,2803.76 v1@1899.32,2834.57 ; U1.85@2597.49,1885.4 2597.58,1885.31 2597.58,1843.17 v1(2598.18,1842.57) ; v1(2674.97,3334.63) 2777.51,3334.63 2799.4,3356.52 U18B.9@2799.4,3458.65
  Bottom w12: v1(1900.02,2834.57) 1900.02,2933.14 2163.87,3197 2622.07,3197 2663.68,3238.61 2663.68,3322.78 2674.97,3334.07 v1(2674.97,3334.63) 2717.2,3334.63 2788.91,3262.92 2788.91,3061.1 2830.75,3019.26 2830.75,2520.9 2799.11,2489.26 2799.11,2390.86 2754,2345.75 2754,2277.96 2487.43,2011.39 2487.43,1921.46 2510.73,1898.16 2542.58,1898.16 v1(2598.18,1842.57)